# Altium PCB MS-002.23T003升降控制板PCB图 V1.0.PcbDoc (part 2 of 2)
Units mil, origin at the board's own origin, x right, y up, seen from the top; angles counter-clockwise.
Board outline 7874.02 x 3937.01 mil, 2 copper layers (Top Layer, Bottom Layer); 186 components, 113 nets, 593 pads, 363 vias.
Unrouted connection lines stored in the file: 7.
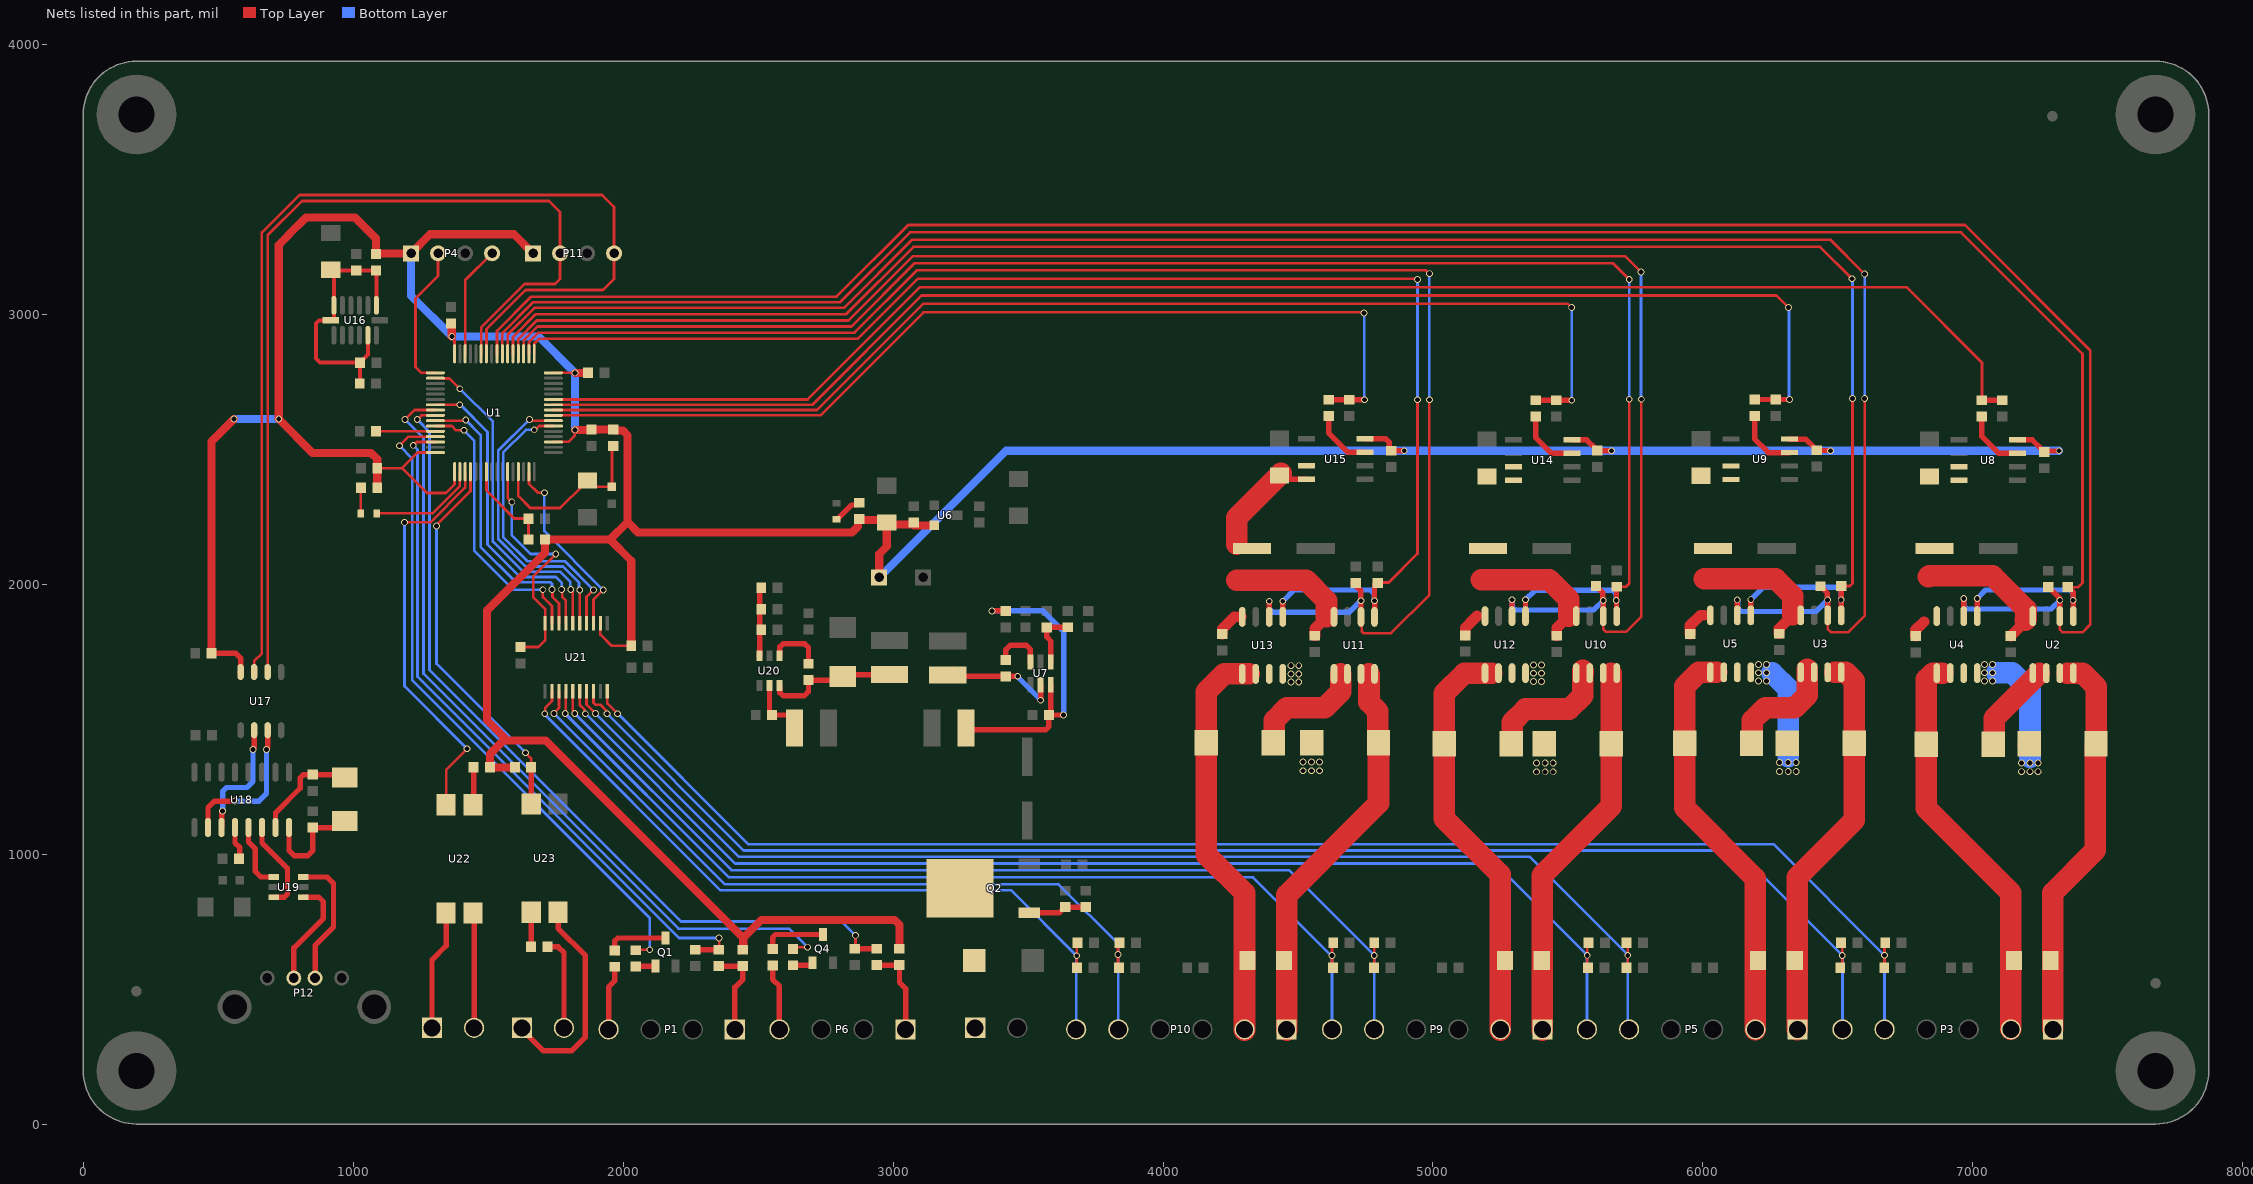
[diagram p2: the nets of this part, all layers, seen from the top]

## Via types
v1: diameter 25, hole 18, Top Layer to Bottom Layer, tented both sides, 362 vias
v2: diameter 25, hole 18, Top Layer to Bottom Layer, 1 vias

## Nets (pads, with @x,y where several pads share a name; then routed paths per layer and width w, separated by ;. In a path a pad name is that pad's centre, name@x,y a point inside that pad or via, vN(x,y) a via of type N, cw(c..) or ccw(c..) an arc to the next point about the centre after c; other vN are vias at no path point) (continued)
M1_Out2_A: U1.15 U21.3 | length 703.9
  Top Layer w10: U1.15@1650.96,2416.54 1650.96,2371.75 1684.21,2338.51 v1(1708.22,2338.51) ; U21.3@1890.1,1855.69 1890.1,1942.28 1926.17,1978.35 v1(1926.17,1978.62)
  Bottom Layer w10: v1(1708.22,2338.51) 1708.22,2196.84 1926.17,1978.89 v1(1926.17,1978.62)
M2_Out1_A: U1.22 U21.4 | length 1088.9
  Top Layer w10: v1(1670.65,2571.53) 1674.71,2571.53 1689,2585.83 U1.22@1741.51,2585.83 ; U21.4@1864.51,1855.69 1864.51,1952.75 v1(1890.38,1978.62)
  Bottom Layer w10: v1(1670.65,2571.53) 1639.97,2571.53 1555.32,2486.89 1555.32,2175.37 1645.81,2084.89 1784.11,2084.89 v1(1890.38,1978.62)
M2_Out2_A: U1.23 U21.5 | length 1146.6
  Top Layer w10: v1(1652.98,2610) 1657.47,2605.51 U1.23@1741.51,2605.51 ; 1838.92,1903.55 U21.5@1838.92,1855.69 1838.96,1855.73 v1(1839,1978.62) v1(1839,1978.62)
  Bottom Layer w10: v1(1652.98,2610) 1537.32,2494.34 1537.32,2166.91 1638.68,2065.56 1777.15,2065.56 1836.58,2006.12 1836.58,1981.05 v1(1839,1978.62)
M3_Out1_A: U1.50 U21.6 | length 1228.3
  Top Layer w10: U1.50@1304.5,2763 1334.7,2763 1335.88,2761.82 1356.86,2761.82 v1(1395.14,2723.63) v1(1395.14,2723.63) ; v1(1805.89,1979.91) 1805.89,1975.85 1813.32,1968.42 U21.6@1813.32,1855.69
  Bottom Layer w10: v1(1395.14,2723.63) 1517.06,2601.71 1517.06,2157.63 1628.46,2046.23 1765.4,2046.23 1804.22,2007.41 1804.22,1981.58 v1(1805.89,1979.91)
M3_Out2_A: U1.55 U21.7 | length 1141.6
  Top Layer w10: U1.55@1304.5,2664.57 v1(1394.93,2664.57) v1@1395.06,2664.7 ; v1(1772.16,1980.11) 1774.73,1977.54 1774.73,1952.61 1787.73,1939.61 U21.7@1787.73,1855.69
  Bottom Layer w10: v1(1394.93,2664.57) 1396.92,2664.57 1497.58,2563.9 1497.58,2146.61 1617.96,2026.23 1751.54,2026.23 1772.16,2005.61 v1(1772.16,1980.11)
M4_Out1_A: U1.58 U21.8 | length 1084.5
  Top Layer w10: U1.58@1304.5,2605.51 1413.9,2605.51 v1(1416.91,2608.52) ; v1(1736.48,1980.18) 1738.56,1978.1 1738.56,1952.68 1762.14,1929.09 U21.8@1762.14,1855.69
  Bottom Layer w10: v1(1416.91,2608.52) 1472.14,2553.28 1472.14,2137.34 1602.58,2006.9 1730.63,2006.9 1736.48,2001.04 v1(1736.48,1980.18)
M4_Out2_A: U1.59 U21.9 | length 1062.1
  Top Layer w10: U1.59@1304.5,2585.83 1365.28,2585.83 1381.11,2570 v1(1410,2570) ; v1(1702.62,1978.96) 1702.62,1952.61 1736.55,1918.68 U21.9@1736.55,1855.69 1735.65,1856.59 1735.65,1891.73
  Bottom Layer w10: v1(1410,2570) 1448.94,2531.06 1448.94,2123.24 1593.23,1978.96 v1(1702.62,1978.96)
M_VCC1: C13.2 C15.1 C23.2 R24.2 U2.4 U4.4 U8.3 U8.4 | length 601.5
  Top Layer w40: C23.2@6787.9,1807.97 6787.9,1829.94 6818.76,1860.79 ; C13.2@7140.76,1808.1 7194.81,1862.15 7194.81,1867.32
  Top Layer w80: 6835.76,2027.99 6838.6,2030.83 7073.12,2030.83 7196.98,1906.96 7196.98,1869.49 7194.81,1867.32
M_VCC2: C14.2 C22.1 C24.2 R27.2 U3.4 U5.4 U9.3 U9.4 | length 615.2
  Top Layer w40: C24.2@5952.81,1815.17 5952.81,1846.37 5990.81,1884.38 6004.41,1884.38 ; C14.2@6282.25,1816.11 6282.25,1834.96 6333.25,1885.96
  Top Layer w80: 6004.41,2020.37 6269.07,2020.37 6333.25,1956.19 6333.25,1885.96
M_VCC3: C31.2 C33.1 C35.2 R36.2 U10.4 U12.4 U14.3 U14.4 | length 595.6
  Top Layer w40: C35.2@5119.42,1810.37 5119.42,1837.95 5150.61,1869.14 5150.61,1869.32 5162.89,1881.59 5163.06,1881.59 ; C31.2@5458.95,1808.77 5458.95,1837.38 5503.1,1881.53
  Top Layer w80: 5179.86,2016.17 5430.24,2016.17 5503.1,1943.3 5503.1,1881.53
M_VCC4: C32.2 C34.1 C36.2 R37.2 U11.4 U13.4 U15.3 U15.4 | length 1038.7
  Top Layer w20: R37.2@4431.03,2402.45 4445.2,2388.27 U15.4@4531.3,2388.27
  Top Layer w40: C36.2@4219.38,1815.49 4219.38,1833.99 4264.09,1878.7 ; 4280.89,1878.9 U13.4@4289.66,1878.9 ; C32.2@4562.73,1808.63 4562.73,1835.77 4605.66,1878.7
  Top Layer w80: 4272.86,2014.14 4529.97,2014.14 4605.66,1938.45 4605.66,1878.7 ; C34.1@4272.86,2147.55 4272.86,2245.29 4410.95,2383.38 R37.2@4437.3,2409.73
NetC4_2: C4.2 R4.2 U1.7 | length 346.1
  Top Layer w10: U1.7@1493.48,2416.54 1493.48,2346.55 1596.52,2243.51 1648.22,2243.51 C4.2@1649.2,2242.53 R4.2@1649.2,2165.24
NetC5_1: C5.1 R5.1 U1.62 | length 2592.4
  Top Layer w10: v1(1222.39,2514.25) 1234.91,2526.77 U1.62@1304.5,2526.77 ; R5.1@2355.54,652.39 v1(2355.54,689.24)
  Top Layer w20: C5.1@2267.48,645.38 R5.1@2354.13,645.38
  Bottom Layer w10: v1(1222.39,2514.25) 1238.54,2498.11 1238.54,1657.4 2206.7,689.24 v1(2355.54,689.24)
NetC6_1: C6.1 C7.1 R7.2 U1.13 | length 640.8
  Top Layer w10: U1.13@1611.59,2416.54 1611.59,2326.15 1655.91,2281.83 1766.47,2281.83 1852.69,2368.06 1860.14,2360.61 C6.1@1958.38,2360.61 R7.2@1958.38,2507.09
NetC12_1: C12.1 U7.6 | length 190
  Top Layer w20: C12.1@3416.82,1718.69 3416.82,1756.85 3433.11,1773.15 3494.16,1773.15 3508.54,1758.76 3508.54,1712.49 U7.6@3509.37,1711.66
NetC12_2: C12.2 L1.1 U7.2 | length 474.1
  Top Layer w20: L1.1@3223.81,1685.08 L1.1@3202.31,1663.59 3207.84,1658.06 C12.2@3416.82,1658.06 3417.06,1658.3 3461.65,1658.3 v1(3461.89,1658.54) ; v1(3546.77,1569.77) U7.2@3546.77,1627.02
  Bottom Layer w20: v1(3461.89,1658.54) 3461.89,1656.59 3546.77,1571.71 v1(3546.77,1569.77) v1@3546.49,1569.49
NetC25_1: C25.1 R16.1 U1.57 | length 3138
  Top Layer w10: v1(1237.17,2609.53) 1252.85,2625.2 U1.57@1304.5,2625.2 ; C25.1@2858.04,649.06 2860.67,651.69 v1(2860.67,698.85)
  Top Layer w20: C25.1@2858.04,649.06 R16.1@2939.81,649.06
  Bottom Layer w10: v1(1237.17,2609.53) 1282.36,2564.35 1282.36,1682.41 2214.86,749.91 2809.61,749.91 v1(2860.67,698.85)
NetC27_2: C27.2 R29.2 U1.27 | length 5795.5
  Top Layer w10: U1.27@1741.51,2684.26 2683.36,2684.26 3099.28,3100.18 6753.67,3100.18 7033.73,2820.12 R29.2@7033.73,2681.19
  Top Layer w20: R29.2@7033.73,2681.19 C27.2@7109.79,2681.19
NetC28_2: C28.2 R30.2 U1.26 | length 5232.6
  Top Layer w10: U1.26@1741.51,2664.57 2701.13,2664.57 3105.71,3069.15 6273.02,3069.15 v1(6317.62,3024.55)
  Top Layer w20: R30.2@6191.82,2684.04 v1(6320.57,2684.04)
  Bottom Layer w10: v1(6317.62,3024.55) 6319.09,3023.08 6319.09,2685.51 v1(6320.57,2684.04)
NetC37_2: C37.2 R38.2 U1.25 | length 4419.6
  Top Layer w10: U1.25@1741.51,2644.89 2718.16,2644.89 3112.54,3039.27 5499.15,3039.27 v1(5513.87,3024.55)
  Top Layer w20: R38.2@5380.22,2681.19 C37.2@5456.7,2681.19 v1(5514.4,2681.19)
  Bottom Layer w10: v1(5513.87,3024.55) 5514.14,3024.29 5514.14,2681.46 v1(5514.4,2681.19)
NetC38_2: C38.2 R39.2 U1.24 | length 3616.7
  Top Layer w10: U1.24@1741.51,2625.2 2730.7,2625.2 3112.22,3006.72 4742.83,3006.72 v1(4744.66,3004.89)
  Top Layer w20: R39.2@4613.82,2683.24 C38.2@4689.58,2683.25 v1(4746.27,2683.25)
  Bottom Layer w10: v1(4744.66,3004.89) 4745.47,3004.08 4745.47,2684.05 v1(4746.27,2683.25)
NetC41_1: C41.1 C42.2 R40.2 R41.2 R42.2 U16.1 U16.6 U16.7 U16.12 | length 1031.1
  Top Layer w15: R41.2@1024.14,2743.31 1024.74,2743.9 1024.74,2819.76 R42.2@1025.33,2820.35 ; U16.12@1054.46,2921.97 1054.46,2850.47 1025.33,2821.33 R42.2@1025.33,2820.35 ; U16.1@1085.96,3032.96 1085.96,3161.96 928.48,3161.96 U16.6@928.48,3032.96 928.48,2981.78 924.16,2977.47 U16.7@916.76,2977.47 873.8,2977.47 861.55,2965.22 861.55,2836 877.21,2820.35 R42.2@1025.33,2820.35
NetC43_2: C43.2 P3.5 R23.1 U21.20 | length 5533.5
  Top Layer w10: U21.20@1941.28,1603.72 1941.28,1557.84 v1(1979.11,1520) ; C43.2@6672.01,578.56 6673.03,579.58 v1(6673.03,625.03) 6673.03,669.15 R23.1@6675.66,671.79
  Bottom Layer w10: v1(1979.11,1520) 1980,1520 2463.23,1036.77 6261.43,1036.77 6673.17,625.03 P3.5@6673.17,350.41
NetC44_2: C44.2 P3.6 R43.1 U21.18 | length 5436.2
  Top Layer w10: U21.18@1890.1,1603.72 1890.1,1560.71 1897.55,1553.25 1916.2,1553.25 1937.13,1532.32 1937.13,1522.87 v1(1940,1520) ; C44.2@6508.79,578.56 6516.49,586.26 v1(6516.49,624.23) 6516.49,667.03 R43.1@6511.73,671.79
  Bottom Layer w10: v1(1940,1520) 2446.7,1013.3 6128.88,1013.3 6517.27,624.91 P3.6@6517.27,350.41
NetC48_2: C48.2 U18.4 | length 123.2
  Top Layer w20: U18.4@562.04,1098.54 562.04,1041.71 580.24,1023.51 C48.2@580.24,982.85
NetC50_2: C50.2 U18.7 Y2.1 | length 395.9
  Top Layer w20: U18.7@712.04,1098.54 712.04,1152.77 803.8,1244.53 803.8,1282.51 815.52,1294.23 C50.2@849.75,1294.23 957.48,1294.23 Y2.1@968.33,1283.38
NetC51_2: C51.2 U18.8 Y2.2 | length 402.9
  Top Layer w20: U18.8@762.04,1098.54 762.04,1013.17 781,994.21 831.98,994.21 849.75,1011.98 C51.2@849.75,1098.09 944.46,1098.09 Y2.2@968.33,1121.96
NetC57_2: C57.2 L11.2 R20.2 U7.3 | length 1174.7
  Top Layer w20: L11.2@3270.8,1466.92 3277.46,1460.26 3565.37,1460.26 3577.09,1471.98 C57.2@3577.09,1515.2 ; v1(3366.58,1900.89) 3366.73,1900.74 3416.67,1900.74 R20.2@3416.82,1900.59 ; C57.2@3583,1514.22 C57.2@3583.59,1514.81 ; U7.3@3584.17,1627.02 3583.59,1626.43 C57.2@3583.59,1514.81 ; v1(3631.71,1515.2) 3583.98,1515.2 C57.2@3583.59,1514.81
  Bottom Layer w20: v1(3366.58,1900.89) 3554.59,1900.89 3631.71,1823.78 v1(3631.71,1515.2)
NetC58_1: C58.1 U20.1 | length 209.9
  Top Layer w20: U20.1@2579.5,1734.89 2580.32,1735.71 2580.32,1767.36 2592.04,1779.07 2672.72,1779.07 2686.63,1765.17 C58.1@2686.63,1705
NetC58_2: C58.2 D4.K L10.1 U20.6 | length 495.4
  Top Layer w20: U20.6@2579.5,1624.65 2580.32,1623.82 2580.32,1598.29 2592.04,1586.58 2671.43,1586.58 2686.63,1601.78 C58.2@2686.63,1644.37 2799,1644.37 D4.K@2812.91,1658.28 2819.17,1664.53 L10.1@2986.89,1664.53
NetC59_2: C59.2 L12.2 U20.5 | length 217.4
  Top Layer w20: C59.2@2542.09,1525.78 U20.5@2542.09,1624.65 ; C59.2@2551.68,1515.2 2613.01,1515.2 2634.5,1493.71 L12.2@2634.5,1466.89
NetC61_2: C61.2 P5.5 R44.1 U21.17 | length 4665.8
  Top Layer w10: U21.17@1864.51,1603.72 1864.51,1553.64 v1(1897.55,1520.6) ; C61.2@5717.56,578.56 5721.65,582.64 v1(5721.65,624.8) 5721.65,667.9 R44.1@5717.75,671.79
  Bottom Layer w10: v1(1897.55,1520.6) 2427.93,990.22 5357.68,990.22 5722.03,625.87 5722.03,354.98 P5.5@5726.6,350.41
NetC62_2: C62.2 P5.6 R45.1 U21.16 | length 4545.8
  Top Layer w10: U21.16@1838.92,1603.72 1838.92,1553.25 1857.13,1535.04 1857.13,1522.87 v1(1860,1520) ; C62.2@5574.5,578.56 5571.72,581.33 v1(5571.72,624.8) 5571.72,667.06 R45.1@5576.46,671.79
  Bottom Layer w10: v1(1860,1520) 2414.58,965.42 5231.99,965.42 5570.7,626.72 P5.6@5570.7,350.41
NetC65_1: C65.1 R48.1 R49.2 U20.3 | length 255.4
  Top Layer w20: U20.3@2504.69,1734.89 2505.52,1735.71 2505.52,1981.13 C65.1@2511.78,1987.39
NetC66_2: C66.2 P9.5 R46.1 U21.15 | length 3787.3
  Top Layer w10: U21.15@1813.32,1603.72 1813.32,1532.11 1820.78,1524.66 v1(1820.78,1520.6) ; C66.2@4781.16,578.56 4782.42,579.82 v1(4782.42,624.12) 4782.42,671.51 R46.1@4782.7,671.79
  Bottom Layer w10: v1(1820.78,1520.6) 2400.92,940.46 4467.18,940.46 4782.04,625.59 P9.5@4782.04,350.41
NetC67_2: C67.2 P9.6 R47.1 U21.14 | length 3666.9
  Top Layer w10: v1(1785.44,1520.6) 1786.83,1521.98 1786.83,1602.81 U21.14@1787.73,1603.72 ; C67.2@4629.66,578.56 4626.14,582.08 v1(4626.14,624.12) 4626.14,667.16 R47.1@4630.77,671.79
  Bottom Layer w10: v1(1785.44,1520.6) 1785.44,1519.87 2391.55,913.76 4333.32,913.76 4622.96,624.12 v1(4626.14,624.12) P9.6@4626.14,350.41
NetC68_2: C68.2 P10.5 R50.1 U21.13 | length 2947.9
  Top Layer w10: v1(1744.01,1520.6) 1744.01,1523.22 1762.14,1541.35 U21.13@1762.14,1603.72 ; C68.2@3836.42,578.56 3833.13,581.85 v1(3833.13,627.49) 3833.13,666.19 R50.1@3838.73,671.79
  Bottom Layer w10: v1(1744.01,1520.6) 2376.67,887.93 3613.22,887.93 3834.32,666.84 P10.5@3834.32,350.41
NetC69_2: C69.2 P10.6 R51.1 U21.12 | length 2806.5
  Top Layer w10: v1(1709.5,1519.68) 1710.96,1521.14 1710.96,1541.35 1736.55,1566.94 U21.12@1736.55,1603.72 ; C69.2@3682.09,578.56 3680.33,580.31 v1(3680.33,623.21) 3680.33,668.7 R51.1@3683.43,671.79
  Bottom Layer w10: v1(1709.5,1519.68) 1709.5,1516.5 2360.46,865.55 3438,865.55 3678.41,625.13 P10.6@3678.41,350.41
NetD1_K: D1.K P8.1 Q2.3
NetD2_1: D2.1 R19.1 | length 108.2
  Top Layer w20: D2.1@2791.16,2240.68 2794.35,2240.68 2846.67,2293 2865.92,2293 R19.1@2874.22,2301.31
NetD3_1: D3.1 R34.1 | length 94.6
  Top Layer w10: D3.1@1028.29,2262.23 R34.1@1028.29,2356.84
NetD3_2: D3.2 U1.2 | length 402.5
  Top Layer w10: D3.2@1087.29,2262.23 1293.42,2262.23 1395.06,2363.87 U1.2@1395.06,2416.54
NetL2_2: L2.2 U2.5 U2.6 | length 334.2
  Top Layer w80: L2.2@7075.87,1406.8 7079.17,1410.11 7079.17,1503.01 7246.48,1670.31
NetL3_2: L3.2 U3.5 U3.6 | length 424.2
  Top Layer w80: L3.2@6180.37,1410.91 6183.67,1414.21 6183.67,1494.67 6230.54,1541.54 6340.37,1541.54 6387.24,1588.4 6387.24,1684.01 6386.51,1684.74
NetL4_2: L4.2 U4.7 U4.8 | length 401.3
  Top Layer w80: L4.2@7205.28,1404.76 L4.2@7208.59,1408.06
  Bottom Layer w80: 7089.48,1671.77 7146.55,1671.77 7212.04,1606.27 7212.04,1359.37
  other v1: 7180.24,1305.25 7212.04,1305.25 7241.59,1305.25 7180.24,1337.8 7212.04,1337.8 7241.59,1337.8 7043.62,1641.33 7072.65,1641.33 7043.62,1671.77 7072.65,1671.77 7043.62,1702.35 7072.65,1702.35
NetL5_2: L5.2 U5.7 U5.8 | length 336.6
  Bottom Layer w80: 6256.06,1671.85 6316.02,1611.89 6316.02,1360.13
  other v1: 6284.22,1306.28 6316.02,1306.28 6345.57,1306.28 6284.22,1338.83 6316.02,1338.83 6345.57,1338.83 6206.38,1641.41 6235.41,1641.41 6206.38,1671.85 6235.41,1671.86 6206.38,1702.43 6235.41,1702.43
NetL6_2: L6.2 U10.5 U10.6 | length 488.5
  Top Layer w80: L6.2@5290.47,1408.06 5293.78,1411.37 5293.78,1488.18 5342.96,1537.37 5505.68,1537.37 5554.36,1586.05 5554.36,1680.68 5556.42,1678.63 5556.42,1670.31
NetL7_2: L7.2 U11.5 U11.6 | length 441.1
  Top Layer w80: L7.2@4408.44,1411.72 4411.74,1415.02 4411.74,1494.68 4458.61,1541.54 4598.68,1541.54 4657.75,1600.62 4657.75,1667.48
NetL8_2: L8.2 U12.7 U12.8
  other v1: 5383.97,1304.5 5415.77,1304.5 5445.31,1304.5 5383.97,1337.05 5415.77,1337.05 5445.31,1337.05 5372.78,1639.61 5401.8,1639.61 5372.78,1670.04 5401.8,1670.05 5372.78,1700.62 5401.8,1700.62
NetL9_2: L9.2 U13.7 U13.8 | length 4.7
  Top Layer w80: L9.2@4547.1,1408.41 L9.2@4550.41,1411.72
  other v1: 4518.61,1308.49 4550.41,1308.49 4579.95,1308.49 4518.61,1341.04 4550.41,1341.04 4579.95,1341.04 4473.98,1637.04 4503.01,1637.04 4473.98,1667.48 4503.01,1667.48 4473.98,1698.06 4503.01,1698.06
NetP1_1: P1.1 R1.1 R5.2 | length 343.4
  Top Layer w20: R5.2@2354.13,584.75 R1.1@2443.22,584.75 2443.22,535.9 2413.82,506.5 P1.1@2413.82,350.41 P1.1@2413.82,342.63
NetP1_4: P1.4 R8.2 | length 249.2
  Top Layer w20: P1.4@1946.1,342.63 P1.4@1946.1,350.41 1946.1,507.72 1968.59,530.21 R8.2@1968.59,582.49
NetP2_1: P2.1 U22.3 | length 452.4
  Top Layer w20: P2.1@1291.85,350.69 1291.85,607.92 1344.32,660.39 U22.3@1344.32,781.4
NetP2_2: P2.2 U22.4 | length 432.1
  Top Layer w20: U22.4@1444.32,781.4 1447.75,777.96 P2.2@1447.75,350.69
NetP6_1: P6.1 R14.1 R16.2 | length 338.7
  Top Layer w20: R16.2@2939.81,588.43 R14.1@3023.63,588.43 3023.63,525.03 3046.56,502.1 P6.1@3046.56,350.41 ; P6.1@3046.56,344.1 3049.15,346.7 P6.1@3049.15,350.41
NetP6_4: P6.4 R18.2 | length 253.9
  Top Layer w20: R18.2@2558.1,582.9 R18.2@2553.58,587.42 2553.58,535.9 2578.84,510.64 P6.4@2578.84,350.41
NetP7_1: P7.1 U23.2 | length 793.5
  Top Layer w20: P7.1@1624.82,350.69 1704.43,271.07 1809.54,271.07 1860.22,321.75 1860.22,623.55 1759.35,724.42 U23.2@1759.35,784.09
NetP7_2: P7.2 R9.2 | length 354
  Top Layer w20: R9.2@1719.98,656.43 1759.35,656.43 1780.72,635.05 P7.2@1780.72,350.69
NetP12_2: P12.2 U19.1 | length 408.6
  Top Layer w20: P12.2@780.08,540.65 780.08,652.37 889.2,761.49 889.2,823.42 872.37,840.25 U19.1@815.56,840.25
NetP12_3: P12.3 U19.3 | length 500.3
  Top Layer w20: U19.3@815.56,915.06 903.38,915.06 927.08,891.36 927.08,730.08 858.88,661.88 P12.3@858.88,540.65
NetQ1_1: Q1.1 R17.1 | length 97.3
  Top Layer w10: Q1.1@2110.1,566.28 2119.86,576.05 Q1.1@2119.86,584.91
  Top Layer w20: R17.1@2046.09,582.86 2047.12,583.88 2118.83,583.88 Q1.1@2119.86,584.91
NetQ1_3: Q1.3 R8.1 | length 239.7
  Top Layer w20: R8.1@1976.9,634.81 R8.1@1968.59,643.12 1968.59,677.52 1980.31,689.24 Q1.3@2157.26,689.24
NetQ2_1: Q2.1 R22.1 R28.2 | length 218
  Top Layer w20: Q2.1@3504.66,782.11 3615,782.11 3636.56,803.67 R22.1@3637.55,803.67 R28.2@3713.74,803.67
NetQ4_1: Q4.1 R15.1 | length 79.8
  Top Layer w20: R15.1@2629.18,588.06 2697.53,588.06 2702.3,592.82 Q4.1@2702.3,597.53
NetQ4_3: Q4.3 R18.1 | length 244.8
  Top Layer w20: R18.1@2561.88,639.74 R18.1@2553.58,648.05 2553.58,690.15 2565.29,701.86 Q4.3@2739.7,701.86
NetR2_1: R2.1 U1.60 | length 219.7
  Top Layer w10: R2.1@1084.77,2566.14 1180.09,2566.14 U1.60@1304.5,2566.14
NetR3_1: R3.1 U22.1 | length 139.1
  Top Layer w20: U22.1@1444.32,1182.98 1446.1,1184.76 R3.1@1446.1,1321.37
NetR6_1: R6.1 U1.4 U23.4 | length 1428.2
  Top Layer w10: v1(1308.69,2215.11) 1308.69,2218.49 1434.43,2344.23 U1.4@1434.43,2416.54 ; v1(1638.33,1375.61) 1659.35,1354.59 R6.1@1659.35,1321.37
  Top Layer w20: U23.4@1659.35,1185.67 R6.1@1659.35,1321.37
  Bottom Layer w10: v1(1308.69,2215.11) 1308.69,1705.25 v1(1638.33,1375.61)
NetR9_1: R9.1 U23.1 | length 127.7
  Top Layer w20: R9.1@1659.35,656.43 U23.1@1659.35,784.09
NetR10_2: R10.2 U1.39 U2.1 U4.1 | length 7761.1
  Top Layer w10: U1.39@1552.54,2853.55 1552.54,2931.04 1665.8,3044.3 2802.98,3044.3 3062.17,3303.49 6955.95,3303.49 7406.47,2852.98 7406.47,2004.66 7390.62,1988.81 7353.45,1988.81 R10.2@7352.47,1988.81
  Top Layer w20: U4.1@7016.54,1881.53 v1(7016.54,1947.07) ; R10.2@7353.45,1988.81 7372.41,1969.86 7372.41,1940.27 U2.1@7372.41,1881.53
  Bottom Layer w20: v1(7016.54,1947.07) 7047.78,1978.31 7360,1978.31 7371.72,1966.59 v1(7371.72,1940.27)
NetR11_2: R11.2 U1.40 U2.2 U4.2 | length 8129.3
  Top Layer w10: U1.40@1532.85,2853.55 1532.85,2938.36 1659.67,3065.18 2790.8,3065.18 3056.27,3330.65 6970.42,3330.65 7435.11,2865.97 7435.11,1849.87 7406.65,1821.41 7332.9,1821.41 7322.41,1831.9 U2.2@7322.41,1881.53
  Top Layer w20: U4.2@6966.54,1881.53 v1(6966.54,1947.07) ; R11.2@7279.17,1988.81 7280.15,1988.81 7322.41,1946.55 v1(7322.41,1940.27) U2.2@7322.41,1881.53
  Bottom Layer w20: v1(6966.54,1947.07) 6966.54,1919.77 6978.26,1908.06 7290.2,1908.06 v1(7322.41,1940.27)
NetR12_2: R12.2 U1.37 U3.1 U5.1 | length 6944.9
  Top Layer w10: U1.37@1591.91,2853.55 1591.91,2915.58 1591.75,2915.74 1675.92,2999.91 2825.47,2999.91 3075.28,3249.72 6434.32,3249.72 v1(6552.64,3131.41) ; R12.2@6512.33,1993 6544.26,1993 6554.07,2002.81 v1(6554.07,2688.11)
  Top Layer w20: U5.1@6177.79,1884.38 v1(6177.79,1942.49) ; U3.1@6512.33,1884.38 v1(6512.33,1941.86) R12.2@6512.33,1993
  Bottom Layer w10: v1(6552.64,3131.41) 6554.07,3129.97 v1(6554.07,2688.11)
  Bottom Layer w20: v1(6177.79,1942.49) 6223.31,1988 6500.62,1988 6512.33,1976.29 v1(6512.33,1941.86)
NetR13_2: R13.2 U1.38 U3.2 U5.2 | length 7347
  Top Layer w10: U1.38@1572.22,2853.55 1572.22,2923.99 1671.98,3023.74 2817.7,3023.74 3069.86,3275.9 6472.33,3275.9 v1(6599.27,3148.96) ; U3.2@6462.33,1884.38 6462.33,1834.41 6474.62,1822.12 6538.84,1822.12 6599.46,1882.74 v1(6599.46,2688.11)
  Top Layer w20: v1(6127.15,1941.87) 6127.47,1941.55 6127.47,1884.7 U5.2@6127.79,1884.38 ; R13.2@6435.86,1992.29 6436.84,1992.29 6445.15,1983.99 6445.15,1983 6460.8,1967.35 6460.8,1943.39 v1(6462.33,1941.86) U3.2@6462.33,1884.38
  Bottom Layer w10: v1(6599.27,3148.96) 6599.27,2688.3 v1(6599.46,2688.11)
  Bottom Layer w20: v1@6127.15,1939.71 v1(6127.15,1941.87) 6128.68,1940.34 6128.68,1911.3 6141.53,1898.45 6418.92,1898.45 v1(6462.33,1941.86)
NetR15_2: R15.2 U1.56 | length 2996.6
  Top Layer w10: v1(1191.68,2609.53) 1227.04,2644.89 U1.56@1304.5,2644.89 ; R15.2@2629.18,648.69 2635.69,655.2 v1(2683.41,655.2)
  Bottom Layer w10: v1(1191.68,2609.53) 1260.45,2540.77 1260.45,1668.45 2205.11,723.78 2614.82,723.78 v1(2683.41,655.2)
NetR17_2: R17.2 U1.61 | length 2452
  Top Layer w10: v1(1171.14,2512.9) 1204.7,2546.46 U1.61@1304.5,2546.46 ; R17.2@2046.09,643.49 2047.99,645.38 v1(2098.4,645.38)
  Bottom Layer w10: v1(1171.14,2512.9) 1218.38,2465.67 1218.38,1644.06 2098.4,764.04 v1(2098.4,645.38)
NetR21_1: R21.1 R26.2 U7.4 | length 211.9
  Top Layer w20: U7.4@3584.37,1711.86 U7.4@3584.17,1711.66 3584.17,1789.42 3569.42,1804.17 R26.2@3569.42,1839.96 3569.51,1840.05 3646.46,1840.05 R21.1@3646.55,1840.14
NetR29_1: R29.1 U8.7 | length 224.4
  Top Layer w20: R29.1@7033.73,2613.81 7033.73,2547.25 7096.36,2484.62 U8.7@7165.59,2484.62
NetR30_1: R30.1 U9.7 | length 234.8
  Top Layer w20: R30.1@6191.82,2623.41 6191.82,2538.45 6242.81,2487.46 U9.7@6320.57,2487.46
NetR31_2: R31.2 U1.35 U10.1 U12.1 | length 6018.2
  Top Layer w10: U1.35@1631.28,2853.55 1631.28,2902.62 1683.46,2954.81 2845.71,2954.81 3079.67,3188.78 5667.1,3188.78 v1(5727.26,3128.63) ; R31.2@5680.95,1990.38 5715.67,1990.38 5727.26,2001.96 v1(5727.26,2684.78)
  Top Layer w20: v1(5342.84,1942.25) 5342.9,1942.19 5342.9,1881.59 U12.1@5342.96,1881.53 ; U10.1@5680.95,1881.53 5680.03,1882.45 5680.03,1938.56 v1(5678.97,1939.62) 5679.96,1940.61 5679.96,1989.39 R31.2@5680.95,1990.38
  Bottom Layer w10: v1(5727.26,2684.78) v1(5727.26,3128.63)
  Bottom Layer w20: v1(5342.84,1942.25) 5377.34,1976.75 5667.25,1976.75 5678.97,1965.04 v1(5678.97,1939.62)
NetR32_2: R32.2 U1.36 U10.2 U12.2 | length 6425.9
  Top Layer w10: U1.36@1611.59,2853.55 1611.59,2908.4 1679.9,2976.7 2834.65,2976.7 3073.16,3215.21 5711.79,3215.21 v1(5771.04,3155.96) ; U10.2@5630.95,1881.53 5630.95,1833.91 5641.52,1823.33 5715.37,1823.33 5772.18,1880.14 v1(5772.18,2685.1)
  Top Layer w20: U12.2@5292.96,1881.53 v1(5292.96,1942.25) ; R32.2@5604.08,1992.71 5605.06,1992.71 5613.37,1984.4 5613.37,1983.41 5629.42,1967.37 5629.42,1941.15 v1(5630.95,1939.62) U10.2@5630.95,1881.53
  Bottom Layer w10: v1(5771.04,3155.96) 5771.04,2686.24 v1(5772.18,2685.1)
  Bottom Layer w20: v1(5292.96,1942.25) 5293.51,1941.71 5293.51,1916.08 5305.22,1904.36 5595.69,1904.36 v1(5630.95,1939.62)
NetR33_2: R33.2 U1.33 U11.1 U13.1 | length 5187.4
  Top Layer w10: U1.33@1670.65,2853.55 1670.65,2891.08 1688.41,2908.84 2868.58,2908.84 3090.95,3131.22 4940.26,3131.22 v1(4942.98,3128.5) ; R33.2@4795.22,2004.87 4796.38,2006.03 4836.23,2006.03 4942.98,2112.78 v1(4942.98,2683.25)
  Top Layer w20: U13.1@4443.7,1878.7 v1(4443.7,1936.65) ; U11.1@4783.5,1878.7 4784.42,1879.62 4784.42,1907.33 4785.03,1907.94 4785.03,1937.11 v1(4783.5,1938.64) R33.2@4783.5,2000.04
  Bottom Layer w10: v1(4942.98,2683.25) v1(4942.98,3128.5)
  Bottom Layer w20: v1(4443.7,1936.65) 4485.27,1978.22 4769.26,1978.22 4781.97,1965.51 4781.97,1940.17 v1(4783.5,1938.64)
NetR35_2: R35.2 U1.34 U11.2 U13.2 | length 5638.2
  Top Layer w10: U1.34@1650.96,2853.55 1650.96,2896.85 1685.94,2931.83 2857.1,2931.83 3087.76,3162.48 4973.52,3162.48 4985.76,3150.25 v1(4986.88,3150.25) ; U11.2@4733.5,1878.7 4736.33,1875.87 4736.33,1824.23 4742.19,1818.37 4844.78,1818.37 4986.88,1960.47 v1(4986.88,2683.25)
  Top Layer w20: U13.2@4393.7,1878.7 v1(4393.7,1936.65) ; R35.2@4705.1,2004.77 4713.41,1996.46 4713.41,1995.48 4731.97,1976.92 4731.97,1940.17 v1(4733.5,1938.64) U11.2@4733.5,1878.7
  Bottom Layer w10: v1(4986.88,2683.25) v1(4986.88,3150.25)
  Bottom Layer w20: v1(4393.7,1936.65) 4394.58,1935.77 4394.58,1907.65 4406.3,1895.93 4690.79,1895.93 v1(4733.5,1938.64)
NetR38_1: R38.1 U14.7 | length 235.8
  Top Layer w20: R38.1@5380.22,2620.56 5380.22,2543.14 5438.75,2484.62 U14.7@5514.4,2484.62
NetR39_1: R39.1 U15.7 | length 226.4
  Top Layer w20: R39.1@4613.82,2622.61 4613.82,2559.82 4685.37,2488.27 U15.7@4747.83,2488.27
NetU1_3: U1.3 U22.2 | length 1510.8
  Top Layer w10: v1(1190.04,2228.88) 1286,2228.88 1414.74,2357.62 U1.3@1414.74,2416.54 ; U22.2@1344.32,1182.98 1344.32,1312.26 1421.67,1389.61 v1(1421.67,1390.27)
  Bottom Layer w10: v1(1190.04,2228.88) 1190.04,1621.9 v1(1421.67,1390.27)
NetU17_2: U17.2 U18.3 | length 454.2
  Top Layer w20: U18.3@512.04,1098.54 512.73,1099.24 512.73,1152.51 516.01,1155.79 v1(516.01,1159.85) ; v1(628.68,1387.42) 628.68,1391.48 632.94,1395.74 U17.2@632.94,1458.77
  Bottom Layer w20: v1(516.01,1159.85) 516.01,1231.63 530.94,1246.57 605.92,1246.57 628.68,1269.33 v1(628.68,1387.42)
NetU17_3: U17.3 U18.2 | length 548
  Top Layer w20: U18.2@462.04,1098.54 462.04,1171.96 486.22,1196.15 v1(562.51,1196.15) ; v1(678.68,1387.42) 678.68,1391.48 682.94,1395.74 U17.3@682.94,1458.77
  Bottom Layer w20: v1(562.51,1196.15) 650.61,1196.15 678.68,1224.22 v1(678.68,1387.42)
NetU18_5: U18.5 U19.4 | length 250.2
  Top Layer w20: U18.5@612.04,1098.54 612.04,1044.55 637.25,1019.34 637.25,935.26 657.45,915.06 U19.4@705.33,915.06
NetU18_6: U18.6 U19.6 | length 341.9
  Top Layer w20: U18.6@662.04,1098.54 662.04,1041.71 756.66,947.09 756.66,851.97 744.94,840.25 U19.6@705.33,840.25
OE: R52.1 U1.11 U21.10 | length 908.1
  Top Layer w10: U1.11@1572.22,2416.54 1572.22,2319.91 v1(1587.76,2304.37) ; R52.1@1619.6,1767.13 1686.09,1767.13 1710.96,1792 U21.10@1710.96,1855.69 1710.96,1908.42 1666.77,1952.61 1666.77,2028.12 v1(1750.59,2111.94)
  Bottom Layer w10: v1(1587.76,2304.37) 1587.76,2180.83 1656.66,2111.94 v1(1750.59,2111.94)
OUT1+: C52.1 L2.1 P3.2 U4.5 U4.6 | length 1497.1
  Top Layer w80: 6889.21,1670.31 U4.5@6866.54,1670.31 6851.41,1670.31 6827.84,1646.74 L2.1@6827.84,1406.8 6827.84,1170.21 7140.89,857.15 7140.89,606.24 P3.2@7140.89,350.41
OUT1-: C52.2 L4.1 P3.1 U2.7 U2.8 | length 1464.7
  Top Layer w80: P3.1@7296.79,350.41 7295.49,351.71 7295.49,606.24 7295.49,855.87 7453.31,1013.68 7453.31,1404.76 L4.1@7456.62,1408.06 7456.62,1620.38 7406.68,1670.31 U2.8@7372.41,1670.31 7349.89,1670.31
OUT2+: C53.1 L3.1 P5.2 U5.5 U5.6 | length 1521.3
  Top Layer w80: 6051.89,1673.16 U5.5@6027.79,1673.16 5984.51,1673.16 5932.34,1620.99 L3.1@5932.34,1410.91 5932.34,1171.46 6194.32,909.47 6194.32,603.65 P5.2@6194.32,349.41
OUT2-: C53.2 L5.1 P5.1 U3.7 U3.8 | length 1465.2
  Top Layer w80: P5.1@6350.23,349.41 6350.23,603.65 6350.23,914.45 6560.37,1124.59 L5.1@6560.37,1410.91 6560.37,1642.64 6529.85,1673.16 U3.8@6512.33,1673.16 6488.04,1673.16
OUT3+: C54.1 L6.1 P9.2 U12.5 U12.6 | length 1539.3
  Top Layer w80: 5217.32,1670.31 U12.5@5192.96,1670.31 5116.91,1670.31 5042.44,1595.85 L6.1@5042.44,1408.06 5042.44,1131.49 5249.76,924.17 5249.76,604.63 P9.2@5249.76,348.14
OUT3-: C54.2 L8.1 P9.1 U10.7 U10.8 | length 1431.3
  Top Layer w80: P9.1@5405.66,348.14 5405.66,922.1 5660.47,1176.9 L8.1@5660.47,1408.06 5660.47,1668.12 5658.28,1670.31 5660.98,1670.31
OUT4+: C55.1 L7.1 P10.2 U13.5 U13.6 | length 1498.8
  Top Layer w80: P10.2@4302.04,346.94 4302.04,618.34 4302.04,856.34 4160.41,997.97 L7.1@4160.41,1411.72 4160.41,1601.24 4226.65,1667.48 U13.5@4293.7,1667.48 4318.84,1667.48
OUT4-: C55.2 L9.1 P10.1 U11.7 U11.8 | length 1476.8
  Top Layer w80: P10.1@4457.94,346.94 4457.94,618.34 4457.94,848.19 4798.44,1188.69 L9.1@4798.44,1411.72 4795.13,1415.02 4795.13,1529.77 4763.04,1561.86 4763.04,1666.17 4761.73,1667.48
SWCLK: P4.2 U1.49 | length 537.6
  Top Layer w10: U1.49@1304.5,2782.68 1253.49,2782.68 1231.05,2805.11 1231.05,3058.21 1314.36,3141.51 P4.2@1314.36,3225.5
SWDIO: P4.4 U1.46 | length 413.2
  Top Layer w10: U1.46@1414.74,2853.55 1414.74,3125.88 P4.4@1514.36,3225.5
USART1_RX: P11.2 U1.43 U17.6 | length 3483.3
  Top Layer w10: U17.6@682.94,1674.52 682.94,3292.58 809.93,3419.57 1725.17,3419.57 1766.4,3378.35 P11.2@1766.4,3225.5 1766.4,3130.41 1748.01,3112.02 1635.09,3112.02 1473.8,2950.72 U1.43@1473.8,2853.55
USART1_TX: P11.4 U1.42 U17.7 | length 3929
  Top Layer w10: U17.7@632.94,1674.52 632.94,1714.87 661.44,1743.37 661.44,3302.52 800.82,3441.9 1922.07,3441.9 1966.4,3397.57 P11.4@1966.4,3225.5 1966.4,3130.41 1925.43,3089.45 1638.18,3089.45 1493.48,2944.75 U1.42@1493.48,2853.55
VCC3V3: C2.2 C3.2 C8.2 C9.1 C11.1 C17.1 C21.2 C29.2 C30.2 C39.2 C40.2 C46.1 P4.1 P11.1 R1.2 R3.2 R4.1 R6.2 R7.1 R14.2 R19.2 R34.2 R40.1 TP2.1 U1.1 U1.19 U1.32 U1.48 U1.64 U6.2 U8.8 U9.8 U14.8 U15.8 U17.8 U21.2 | length 16659.9
  Top Layer w10: C2.2@1088.92,2429.82 1181.25,2429.82 ; U1.64@1304.5,2487.4 1238.83,2487.4 1181.25,2429.82 ; v1(1365.41,2917.44) 1365.41,2914.05 1375.37,2904.09 U1.48@1375.37,2853.55 ; U1.1@1375.37,2416.54 1375.37,2369.64 1343.71,2337.98 1273.09,2337.98 1181.25,2429.82 ; U1.19@1741.51,2526.77 1741.71,2526.97 1796.95,2526.97 1821.21,2551.23 1821.21,2570.82 v1(1821.93,2571.53) ; U1.32@1741.51,2782.68 v1(1822.04,2782.68) ; U21.2@1915.69,1855.69 1915.69,1813.52 1957.4,1771.81 C3.2@2030.07,1771.81
  Top Layer w20: C46.1@475.42,1743.37 565.28,1743.37 582.94,1725.71 U17.8@582.94,1674.52 U17.8@582.94,1672.85 ; C46.1@482.2,1743.37 C46.1@483.73,1741.84 ; U17.8@581.26,1669.64 582.94,1671.32 U17.8@582.94,1672.85 ; U17.8@581.26,1671.17 U17.8@582.94,1672.85 ; U15.8@4747.83,2538.27 4826.21,2538.27 4837.93,2526.56 4837.93,2501.78 C40.2@4845.55,2494.16 ; C40.2@4844.57,2494.16 C40.2@4845.55,2494.16 ; v1(4893.81,2494.16) C40.2@4845.55,2494.16 ; U14.8@5514.4,2534.62 5569.41,2534.62 5599.67,2504.36 5599.67,2503.38 C39.2@5607.97,2495.07 ; C39.2@5619.07,2493.82 v1@5661.57,2493.82 ; U9.8@6320.57,2537.46 6380.6,2537.46 6412.78,2505.28 6412.78,2504.3 6422.01,2495.07 6472.17,2495.07 v1(6473.09,2494.16) ; U8.8@7165.59,2534.62 7220.22,2534.62 7255.76,2499.08 7255.76,2498.1 C29.2@7264.07,2489.79 ; C29.2@7265.05,2489.79 7268.46,2493.2 7319.04,2493.2 v1(7319.99,2494.16)
  Top Layer w30: C46.1@475.6,1743.37 475.6,2528.65 v1(558.45,2611.51) ; R40.1@1084.51,3222.59 R40.1@1084.51,3225.5 ; R34.2@1088.92,2356.84 C2.2@1088.92,2429.82 1088.92,2463.85 1066.35,2486.42 849.1,2486.42 v1(724.12,2611.39) 724.12,3256.6 759.42,3291.9 758.75,3292.58 825.09,3358.92 1006.66,3358.92 1084.51,3281.07 R40.1@1084.51,3225.5 ; C8.2@1362.24,2956.16 1365.08,2953.31 1365.08,2917.77 v1(1365.41,2917.44) ; 1570.81,1421.01 1496.21,1495.61 1496.21,1902.69 1709.83,2116.31 R4.1@1709.83,2165.24 1951.55,2165.24 ; R6.2@1598.72,1321.37 R3.2@1506.73,1321.37 1506.73,1370.75 1557,1421.01 1581.85,1421.01 1582.3,1420.57 1713.45,1420.57 2444.99,689.02 ; P11.1@1666.4,3225.5 1595.8,3296.1 1284.96,3296.1 P4.1@1214.36,3225.5 R40.1@1084.51,3225.5 ; v1(1821.93,2571.53) 1881.85,2571.53 C9.1@1882.92,2572.61 1967.82,2572.61 1971.12,2569.3 1999.28,2569.3 2016.86,2551.73 2016.86,2230.55 ; v1(1822.04,2782.68) C11.1@1870.42,2782.68 ; C3.2@2030.07,1771.81 2030.07,2086.72 1951.55,2165.24 ; R1.2@2443.22,645.38 2444.99,647.16 2444.99,689.02 ; TP2.1@2948.63,2024.98 2948.63,2111.34 2976.63,2139.33 C17.1@2976.63,2228.76 ; R14.2@3023.63,649.06 3023.63,738.17 3006.06,755.75 2511.72,755.75 2444.99,689.02 ; U6.2@3152.68,2217.75 3076.52,2217.75 3073.21,2221.06 2984.34,2221.06 C17.1@2976.63,2228.76 ; C29.2@7264.07,2489.79 C29.2@7265.05,2489.79 ; 1951.55,2165.24 2016.86,2230.55 ; 2016.86,2230.55 2055.45,2191.96 2848.15,2191.96 2869.93,2213.74 2869.93,2237.37 2873.24,2240.68 R19.2@2874.22,2240.68 2877.53,2237.37 2968.02,2237.37 C17.1@2976.63,2228.76
  Bottom Layer w30: v1(558.45,2611.51) 724.01,2611.51 v1(724.12,2611.39) ; P4.1@1214.36,3225.5 1214.36,3068.49 v1(1365.41,2917.44) 1687.28,2917.44 v1(1822.04,2782.68) 1822.04,2571.65 v1(1821.93,2571.53) ; TP2.1@2948.63,2024.98 3417.8,2494.16 v1(4893.81,2494.16) v1(5661.59,2494.16) v1(6473.09,2494.16) v1(7319.99,2494.16)
pads on no net: H1.1 H2.1 H3.1 H4.1 M2.0 M3.0 M4.0 P12.0 U1.5 U1.6 U1.8 U1.9 U1.10 U1.16 U1.17 U1.20 U1.21 U1.28 U1.29 U1.30 U1.41 U1.44 U1.45 U1.54 U8.6 U9.6 U14.6 U15.6 U16.3 U16.9 U16.10 U16.11 U18.9 U18.10 U18.11 U18.12 U18.13 U18.14 U18.15
copper on no net: | length 0.3
  Top Layer w10: 1670.65,2416.54 1670.84,2416.34

## Polygon pours and split planes (outlines as drawn)
GND on Bottom Layer "Bottom Layer-GND" (solid, remove dead copper, pour order 6): 0,196.85 0,3740.16 cw(c196.85,3740.16) 196.85,3937.01 7677.17,3937.01 cw(c7677.17,3740.16) 7874.02,3740.16 7874.02,196.85 cw(c7677.17,196.85) 7677.17,0 196.85,0 cw(c196.85,196.85)
GND_USB on Bottom Layer "GND_USB_L02_P000" (solid, remove dead copper, pour order 0): 2.11,1537.87 952.64,1537.87 1109.52,1380.99 1109.52,2.87 19.37,2.87 0.91,21.33 0.91,1535.98 2.21,1537.28
GND on Top Layer "Top Layer-GND" (solid, remove dead copper, pour order 9): 0,196.85 0,3740.16 cw(c196.85,3740.16) 196.85,3937.01 7677.17,3937.01 cw(c7677.17,3740.16) 7874.02,3740.16 7874.02,196.85 cw(c7677.17,196.85) 7677.17,0 196.85,0 cw(c196.85,196.85)
GND_USB on Top Layer "GND_USB_L01_P008" (solid, remove dead copper, pour order 8): 1.57,1533.59 952.1,1533.59 1108.98,1376.71 1108.98,-1.41 18.83,-1.41 0.37,17.05 0.37,1531.7 1.67,1533

## Keep-outs
Keep-Out Layer:
  lines w10: 7874.02,3740.16 ccw(c7677.17,3740.16) 7677.17,3937.01 196.85,3937.01 ccw(c196.85,3740.16) 0,3740.16 0,196.85 ccw(c196.85,196.85) 196.85,0 7677.17,0 ccw(c7677.17,196.85) 7874.02,196.85 7874.02,3746.14

## Other copper
Top Layer:
  rectangle net GND: 3389.08,1289.65 3604.2,1438.68
  rectangle net 24VIN: 3399.31,926.22 3598.57,1235.28
  rectangle net NetD1_K: 3155.53,292.11 3365.32,823.18
  region net 24VIN: 4397.3,2569.83 4397.3,2488.27 4561.65,2488.27 4561.65,2569.83
  region net NetL4_2: 7164.64,1455.15 7164.64,1283.23 7256.73,1283.23 7256.73,1455.15
  region net NetL5_2: 6268.62,1456.18 6268.62,1284.25 6360.71,1284.25 6360.71,1456.18
  region net NetL8_2: 5368.37,1454.4 5368.37,1282.48 5460.45,1282.48 5460.45,1454.4
  region net NetL4_2: 6951.32,1721.3 6951.32,1614.85 7089.36,1614.85 7089.36,1721.3
  region net NetL5_2: 6114.08,1721.39 6114.08,1614.94 6252.12,1614.94 6252.12,1721.39
  region net NetL8_2: 5280.47,1719.58 5280.47,1613.13 5418.51,1613.13 5418.51,1719.58
  region net NetL9_2: 4503.01,1458.39 4503.01,1286.46 4595.09,1286.46 4595.09,1458.39
  region net NetL9_2: 4381.68,1717.02 4381.68,1610.57 4519.72,1610.57 4519.72,1717.02
  region net M_VCC3: 5130.61,2445 5130.61,1849.32 5203.76,1849.32 5203.76,2445
  region net M_VCC2: 5958.32,2449.23 5958.32,1851.89 6039.06,1851.89 6039.06,2449.23
  region net M_VCC4: 4232.99,2147.55 4232.99,1839.9 4307.42,1839.9 4307.42,2147.55
  region net M_VCC4: 4397.3,2449.73 4397.3,2372.88 4561.65,2372.88 4561.65,2449.73
  region net M_VCC3: 5165.2,2445 5165.2,2369.37 5328.6,2369.37 5328.6,2445
  region net 24VIN: 5165.2,2563.68 5165.2,2484.62 5328.6,2484.62 5328.6,2563.68
  region net M_VCC2: 5958.32,2449.23 5958.32,2371.58 6135.19,2371.58 6135.19,2449.23
  region net 24VIN: 5958.32,2567.43 5958.32,2487.46 6135.19,2487.46 6135.19,2567.43
  region net M_VCC1: 6787.9,2445 6787.9,1844.17 6881.64,1844.17 6881.64,2445
  region net M_VCC1: 6804.01,2445 6804.01,2369.15 6980.15,2369.15 6980.15,2445
  region net 24VIN: 6804.01,2563.41 6804.01,2484.62 6980.15,2484.62 6980.15,2563.41
  pour cut-out: 1262.62,428.12 3466.07,428.12 3466.07,739.83 3461.51,744.39 1262.62,744.39
  pour cut-out: 3291.21,1385.19 2613.01,1385.19 2613.01,1915.41 3233.01,1915.41 3237.14,1919.54 3237.14,1809.76 3238.16,1808.75 3291.21,1808.75
  pour cut-out: 4080.3,1726.55 7545.85,1726.55 7546.38,1726.02 7546.38,433.49 7558.37,421.49 4079.71,421.49
Bottom Layer:
  region net NetL4_2: 7024.04,1721.24 7024.04,1614.9 7089.48,1614.9 7089.48,1721.24
  region net NetL4_2: 7164.71,1359.37 7164.71,1283.48 7257.08,1283.48 7257.08,1359.37
  region net NetL5_2: 6268.38,1360.13 6268.38,1284.5 6360.43,1284.5 6360.43,1360.13
  region net NetL5_2: 6181.92,1721.11 6181.92,1614.69 6256.06,1614.69 6256.06,1721.11
  region net NetL8_2: 5354.17,1718.76 5354.17,1283.11 5460.2,1283.11 5460.2,1718.76
  region net NetL9_2: 4454.85,1717.05 4454.85,1286.98 4594.57,1286.98 4594.57,1717.05
  pour cut-out: 4626.14,421.58 6672.04,421.58 6673.17,422.71 6673.17,692.21 4626.87,692.21 4626.14,691.48
  pour cut-out: 4651.63,421.58
  pour cut-out: 3693.4,423.83 3692.56,422.99 3692.56,309.47 3842.16,309.47 3842.63,309 3842.63,411.27 3849.3,417.95 3695.36,417.95 3693.4,415.99
  pour cut-out: 3.01,3496.45

## Silkscreen, mask and mechanical layers (free items; w line width, h text height)
Top Overlay:
  text "MS-002.23 [A] V1.0" at 3632.96,3661.07 h60
  text "3.3V" at 1214.36,3404.98 h40 r270
  text "CLK" at 1314.36,3404.98 h40 r270
  text "GND" at 1414.36,3404.98 h40 r270
  text "DIO" at 1514.36,3404.98 h40 r270
  text "3.3V" at 1642.11,3404.98 h40 r270
  text "RX" at 1750.73,3404.98 h40 r270
  text "GND" at 1847.62,3404.98 h40 r270
  text "TX" at 1951.84,3404.98 h40 r270
  text "A" at 1283.5,2414.47 h40
  text "LED_3.3V" at 2481.29,2273.65 h40
  text "LED_RUN" at 958.72,2172.66 h40
  text "KEY_MOTOR UP" at 2014.97,446.53 h40
  text "KEY_MOTOR DOWN" at 2661.01,446.53 h40
  text "DET_UR" at 1645,443.57 h40
  text "SIG_UR" at 1315.74,441.74 h40
  text "24V  GND" at 3240.82,439.87 h40
  text "M4+ M4-" at 4252.3,439.87 h40
  text "M3+ M3-" at 5214.85,439.87 h40
  text "M2+ M2-" at 6139.2,439.87 h40
  text "M1+ M1-" at 7095.07,439.87 h40
Mechanical 1:
  lines w10: 0,196.85 ccw(c196.85,196.85) 196.85,0 7677.17,0 ccw(c7677.17,196.85) 7874.02,196.85 7874.02,3740.16 ccw(c7677.17,3740.16) 7677.17,3937.01 196.85,3937.01 ccw(c196.85,3740.16) 0,3740.16 0,196.85